# Altium PCB WX0.008.626PCB-4.1(5).PcbDoc (part 1 of 3) (continued)
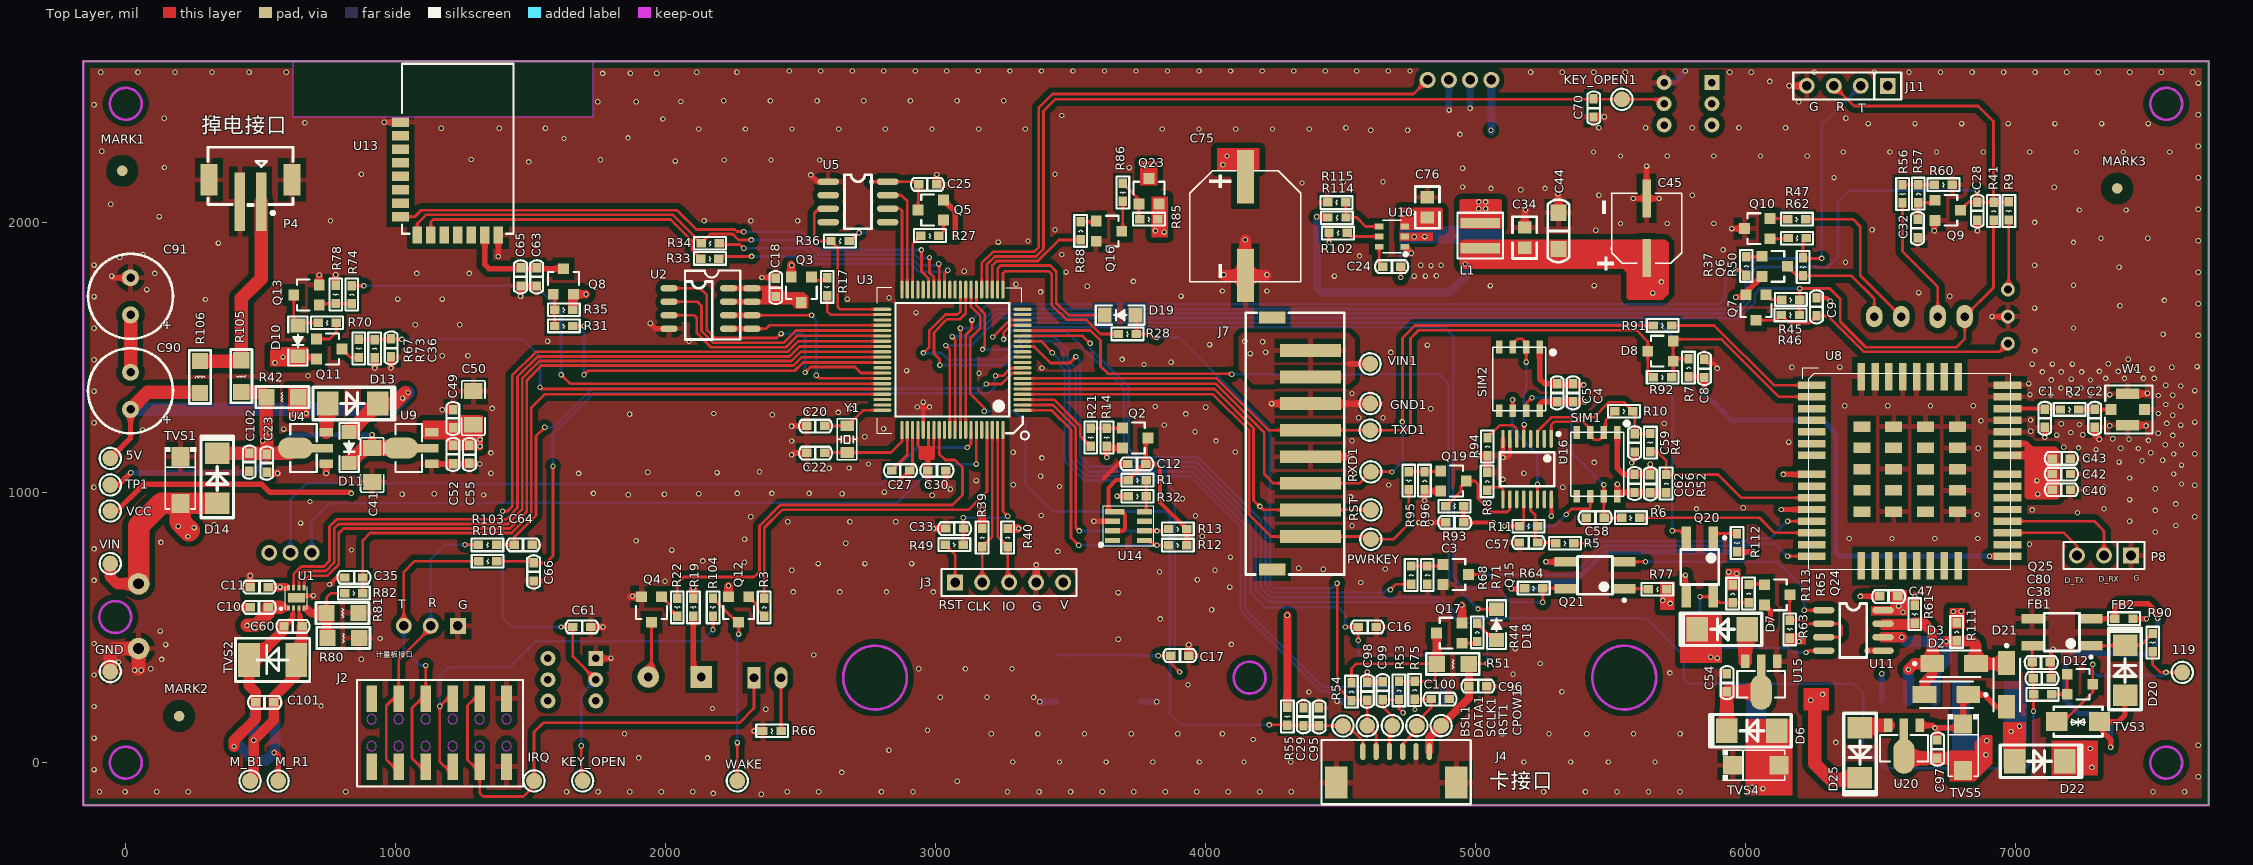
[diagram p0: Top Layer view]
## Components (designator, comment, footprint, x,y, rotation, side; value= is the part's Value field where it differs from the comment) (continued)
PWRKEY "TEST-PAD" TEST-PAD 4612.52,827.52 r90 top
Q2 "RZR040P01TL" SOT-23 3739.52,1202.92 r270 top
Q3 "PNPS-9012" SOT-23 2502.52,1752.52 r180 top
Q4 "NPNS-9013" SOT-23 1947.52,567.52 r180 top
Q5 "PNPS-9012" SOT-23 2982.52,2047.52 r90 top
Q6 "PNPS-9012" SOT-23 6108.52,1838.92 r270 top
Q7 "PNPS-9012" SOT-23 6039.52,1686.28 r180 top
Q8 "UT3401ZG" SOT-23 1621.29,1782.52 r0 top
Q9 "NPNS-9013" SOT-23 6749.52,2046.52 r270 top
Q10 "PNPS-9012" SOT-23 6043.52,1978.52 r90 top
Q11 "PNPS-9012" SOT-23 753.76,1532.52 r270 top
Q12 "PNPS-9012" SOT-23 2270.28,567.52 r180 top
Q13 "NPNS-9013" SOT-23 669.39,1732.52 r90 top
Q15 "NPNS-9013" SOT-23 4927.02,697.12 r270 top
Q16 "NPNS-9013" SOT-23 3642.52,1968.92 r270 top
Q17 "PNPS-9012" SOT-23 4903,480 r90 top
Q19 "NPNS-9013" SOT-23 4918.52,1043.52 r270 top
Q20 "01_EL357N9(D)(TA)-G" EL357D 5831,725 r270 top
Q21 "01_EL357N9(D)(TA)-G" EL357D 5443,694 r180 top
Q23 "UT3401ZG" SOT-23 3790.52,2116.52 r0 top
Q24 "NPNS-9013" SOT-23 6118,622 r270 top
Q25 "01_EL357N9(D)(TA)-G" EL357D 7172.52,483.52 r180 top
R1 "10K 5%" RES0603 3780.76,1046.52 r180 top
R2 "0R 5%" RES0603 7234.52,1308.52 r180 top
R3 "3K 5%" RES0603 2365.28,608.76 r270 top
R4 "22R 5%" RES0603 5647.52,1152.52 r90 top
R5 "22R 5%" RES0603 5364.52,812.52 r180 top
R6 "22R 5%" RES0603 5608.52,907.52 r180 top
R7 "20K 5%" RES0603 5789.52,1496.52 r270 top
R8 "0R 5%" RES0603 5043.52,1075.52 r270 top
R9 "51R 5%" RES0603 6975.52,2010.52 r90 top
R10 "0R 5%" RES0603 5583.52,1301.52 r180 top
R11 "0R 5%" RES0603 5163.52,876.52 r0 top
R12 "5.1K 5%" RES0603 3930.52,805.52 r180 top
R13 "5.1K 5%" RES0603 3930.52,865.52 r180 top
R14 "2M 5%" RES0603 3634.52,1171.52 r90 top
R17 "3K 5%" RES0603 2598.23,1729.66 r90 top
R19 "51R 5%" RES0603 2102.52,542.76 r90 top
R21 "200K 5%" RES0603 3574.52,1171.52 r90 top
R22 "3K 5%" RES0603 2042.52,542.76 r90 top
R27 "3K 5%" RES0603 3012.52,1952.52 r180 top
R28 "10R 5%" RES0603 3744,1588 r180 top
R31 "200K 5%" RES0603 1655.88,1617.52 r180 top
R32 "10K 5%" RES0603 3780.76,986.52 r180 top
R33 "1K 5%" RES0603 2197.52,1867.52 r180 top
R34 "1K 5%" RES0603 2131.52,1924.52 r0 top
R35 "2M 5%" RES0603 1655.88,1677.52 r180 top
R36 "20K 5%" RES0603 2612.52,1932.52 r0 top
R37 "3K 5%" RES0603 6003.52,1873.52 r270 top
R39 "10K 5%" RES0603 3172.52,867.52 r270 top
R40 "10K 5%" RES0603 3267.52,867.52 r270 top
R41 "20K 5%" RES0603 6919.52,2076.52 r270 top
R42 "0R 5%" RES1206 521,1354 r0 top
R44 "3K 5%" RES0603 5007,516 r270 top
R45 "3K 5%" RES0603 6201.52,1715.52 r180 top
R46 "0R 5%" RES0603 6200.52,1658.52 r180 top
R47 "100R 5%" RES0603 6223.52,2013.52 r180 top
R49 "100R 5%" RES0603 3102.52,807.52 r180 top
R50 "20K 5%" RES0603 6213.52,1803.52 r90 top
R51 "51R 5%" RES1206 4975,366 r180 top
R52 "10K 5%" RES0603 5706.52,1067.52 r270 top
R53 "10K 5%" RES0603 4717,301 r270 top
R54 "10K 5%" RES0603 4541,296 r270 top
R55 "1M 5%" RES0603 4303,138 r90 top
R56 "0K 5%" RES0603 6582,2074 r90 top
R57 "20K 5%" RES0603 6641,2141 r270 top
R60 "47K 5%" RES0603 6767,2141 r180 top
R61 "5.1K 5%" RES0603 6627,517 r90 top
R62 "3K 5%" RES0603 6158.52,1943.52 r0 top
R63 "10K 5%" RES0603 6164,461 r90 top
R64 "3K 5%" RES0603 5249,646 r180 top
R65 "10K 5%" RES0603 6012,660 r270 top
R66 "100R 5%" RES0603 2427.52,117.52 r180 top
R67 "47K 5%" RES0603 862.52,1501.12 r90 top
R68 "3K 5%" RES0603 4762.02,728.52 r270 top
R70 "10K 5%" RES0603 712.52,1630.01 r0 top
R71 "20K 5%" RES0603 4822.02,728.52 r270 top
R73 "10K 5%" RES0603 922.52,1567.12 r270 top
R74 "10K 5%" RES0603 837.52,1767.12 r270 top
R75 "10K 5%" RES0603 4775,302 r270 top
R77 "1K 5%" RES0603 5641,643 r0 top
R78 "20K 5%" RES0603 777.52,1701.12 r90 top
R80 "1R" RES1206 865,462 r180 top
R81 "1R" RES1206 862,554 r180 top
R82 "22R 5%" RES0603 878,628 r180 top
R85 "2M 5%" RES0603 3823.52,2013.52 r180 top
R86 "100K 5%" RES0603 3693.52,2079.52 r90 top
R88 "3K 5%" RES0603 3537.52,2003.52 r270 top
R90 "1K 5%" RES0603 7508.52,411.52 r90 top
R91 "1K 5%" RES0603 5726.52,1619.52 r180 top
R92 "1K 5%" RES0603 5726.52,1427.52 r180 top
R93 "47K 5%" RES0603 4889.52,950.52 r0 top
R94 "47R 5%" RES0603 5044.52,1204.52 r270 top
R95 "3K 5%" RES0603 4752.52,1011.52 r90 top
R96 "20K 5%" RES0603 4811.52,1077.52 r270 top
R101 "1K 5%" RES0603 1307.52,746.52 r0 top
R102 "100K 5%" RES0603 4457.52,1962.52 r0 top
R103 "1K 5%" RES0603 1306.52,807.52 r0 top
R104 "100R 5%" RES0603 2175.28,542.76 r90 top
R105 "0R" RES1206 428,1373 r90 top
R106 "0R" RES1206 275,1488 r270 top
R111 "5.1K 5%" RES0603 6783,518 r270 top
R112 "1K 5%" RES0603 5969,781 r90 top
R113 "3K 5%" RES0603 5953,659 r270 top
R114 "62K 1%" RES0603 4453.52,2019.52 r0 top
R115 "16K 1%" RES0603 4452.52,2075.52 r0 top
RST "TEST-PAD" TEST-PAD 4612.52,936.46 r0 top
RST1 "TEST-PAD" TEST-PAD 4783,137 r90 top
RXD1 "TEST-PAD" TEST-PAD 4612.52,1077.52 r90 top
S1 "Component_4" "PCBComponent_1 - duplicate5" 1652.52,307.52 r180 bottom locked
S2 "Component_4" "PCBComponent_1 - duplicate5" 5787.4,2440.94 r180 bottom
SCLK1 "TEST-PAD" TEST-PAD 4692,137 r90 top
SIM1 "SIMIC" SIMIC 5352.38,987.34 r0 top
SIM2 "SIMIC" SIMIC 5064.52,1303.52 r0 top
TP1 "TEST-PAD" TEST-PAD -57.48,1029 r0 top
TVS1 "SMAJ7.5A" "PCBComponent_1 - duplicate4" 202,1047 r270 top
TVS2 "SMBJ6.0CA" DO-214AA 636.52,380.52 r180 top
TVS3 "SMAJ5.0CA" SMAJ5.0CA 7154,152 r0 top
TVS4 "SMAJ7.5A" "PCBComponent_1 - duplicate4" 6038.52,-9.48 r0 top
TVS5 "SMAJ7.5A" "PCBComponent_1 - duplicate4" 6807,57 r270 top
TXD1 "TEST-PAD" TEST-PAD 4609.88,1231.73 r90 top
U1 "07_DRV8837DSGR" S-PWSON-N8 631.52,610.52 r90 top
U2 "MX25L3206EM2I-12G" SOP-8L-200MIL/SOP-8 2012.52,1757.52 r0 top
U3 "FM33LG0x8" LQFP80 3062.52,1492.52 r180 top locked
U4 "CE6232A50P" SOT-89 707.52,1165.61 r90 top
U5 "ESAM" SOP-8 2602.52,2152.52 r0 top
U8 "M5310-E" M5310-E 6246.52,1398.52 r0 top
U9 "CE6232A33P" SOT-89 1097.52,1165.61 r90 top
U10 "JW5031S" "PCBComponent_1 - duplicate1" 4817.52,1917.52 r0 top
U11 "SP485EEN" SOP8 6400,490 r0 top
U12 "IRM-3638T" 接收头 6972.52,1652.52 r180 bottom
U13 "DB809" DB809 1017.52,2022.52 r0 top
U14 "07_HP303B" HP303B 3714.86,876.52 r0 top
U15 "GM6250-5.0ST89RG" SOT-89 6058.52,339.52 r180 top
U16 "4052" SIM卡转换开关 5191.52,1087.52 r270 top
U20 "GM6250-5.0ST89RG" SOT-89 6587.52,102.52 r180 top
VCC "TEST-PAD" TEST-PAD -57.48,932.52 r0 top
VIN "TEST-PAD" TEST-PAD -57.48,737.52 r90 top
VIN1 "TEST-PAD" TEST-PAD 4609.88,1477.52 r90 top
W1 "ANT-IPEX" ANT-IPEX_1 7354.52,1308.52 r0 top
WAKE "TEST-PAD" TEST-PAD 2265.52,-67.48 r90 top
Y1 "XTALSG12MD_32.768kD" SMD-3215_2P 2672.52,1247.52 r270 top

## Footprints (in the part's own frame and the unit in brackets; to place one, negate y for a bottom-side part, rotate by r counter-clockwise, add the part's x,y. Pads: shape width x height; smd on the part's side, far side on the other; paste and mask are expansions set on the pad)
6Pin插座 [mm]
  rect 1.2x3.5 smd: 1(0,0) 2(2.5,0) 3(5,0) 4(7.5,0) 5(10,0) 6(12.5,0)
  rect 1.5x3.8 smd: 7(15.45,-7.25) 8(-2.95,-7.25)
  silkscreen extent -4.06,-9.53 16.51,2.16
220uf/16V [mm]
  rect 3.6x0.8 smd: 1(2.8,0) 2(-2.8,0)
  silkscreen extent -3.3,-4.63 3.94,3.3
5025D [mm]
  rect 2.25x1.6 smd: 1(-1.999,0.051) 2(2.101,0.051)
  silkscreen extent -2.45,-1.2 3.88,1.3
ANT-IPEX_1 [mm]
  rect 1.05x1 smd: 1(0,0)
  rect 2.2x1 smd: 2(1.55,-1.475) 2(1.55,1.475)
  rect 1x1 smd: 2(3.151,0)
  silkscreen extent -0.56,-2.26 3.9,2.26
"Bar Code1" [mil]
  silkscreen extent 0,0 965,256
CAP0603 [mil]
  rect 35x31 smd: 1(-0.49,0) 2(66.51,0)
  silkscreen extent -29,-24 94,23, body extent 1,-15 72,15, height 20
CAP0805 [mm]
  rect 1.27x1.14 smd: 1(0,0) 2(0,1.9)
  silkscreen extent -1.14,-1.02 1.14,2.92
CAP1206 [mil]
  rect 60x60 smd: 1(0,0) 2(134.8,0)
  silkscreen extent -48,-40 184,40, body extent -15,-29 163,29, height 20
CAP-SMD_BD10.0-L10.3-W10.3-FD [mm]
  rect 5x1.6 smd: 1(-4.65,0) 2(4.65,0)
  silkscreen extent -5.23,-5.23 5.23,5.23
CAPPC_350_800_1600 [mm]
  round 1.6 hole 0.8: 1(-1.75,0) 2(1.75,0)
  silkscreen extent -4,-4 4,4, body extent -4.01,-4 4,4, height 15.11
CONN-SMD_2.0-2PLT [mm]
  rect 1x5.5 smd mask+0.051: 1(-1,1.025) 2(1,1.025)
  rect 1.6x3 smd mask+0.051: 3(-3.9,-1.025) 4(3.9,-1.025)
  silkscreen extent -4,-4.1 4,2.25
DB809 [mm]
  rect 1.6x0.9 smd: 1(0,8.89) 2(0,7.62) 3(0,6.35) 4(0,5.08) 5(0,3.81) 6(0,2.54) 7(0,1.27) 8(0,0)
  rect 0.9x1.6 smd: 9(1.59,-1.7) 10(2.86,-1.7) 11(4.13,-1.7) 12(5.4,-1.7) 13(6.67,-1.7) 14(7.94,-1.7) 15(9.21,-1.7)
  silkscreen extent 0.15,-1.6 10.65,14.4
DO-214AA [mil]
  rect 80x125 smd: 1(5,0) 2(180,0)
  silkscreen extent -45,-80 230,80, body extent -13,-77 203,77, height 96
DO-214AC [mil]
  rect 80x90.55 smd: 1(-92.5,0) 2(92.5,0)
  silkscreen extent -146,-60 156,60, body extent -91,-53 90,53, height 94
EL357D [mil]
  rect 80x35 smd: 1(-110,50) 2(-110,-50) 3(110,-50) 4(110,50)
  silkscreen extent -113,-70 65,97
GRM31CR60J107ME39L [mm]
  rect 1.485x1.728 smd: 1(0,0) 2(3.185,0)
  silkscreen extent -0.97,-1.09 4.16,1.09
HDR1X5 [mm] "Connector; Header; 5 Position"
  rect 1.5x1.5 hole 0.9: 1(0,0)
  round 1.5 hole 0.9: 2(2.54,0) 3(5.08,0) 4(7.62,0) 5(10.16,0)
  silkscreen extent -1.27,-1.27 11.43,1.27
"Header 2" [mil]
  round 80 hole 40: 1(0,240) 2(0,0)
  Keep-Out Layer circle w10: c86.51,116.99 r59.05
  silkscreen extent -55,-57 64,295
HP303B [mm]
  rect 1.8x0.5 smd: 1(-1.3,1.35)
  rect 1.4x0.5 smd: 2(-1.5,0.45) 3(-1.5,-0.45) 4(-1.5,-1.35) 5(1.5,-1.35) 6(1.5,-0.45) 7(1.5,0.45) 8(1.5,1.35)
  silkscreen extent -2.74,-1.92 2.39,1.9
HYT-0903 [mil]
  rect 80x80 hole 32: 1(0,0)
  round 80 hole 32: 2(196.85,0)
  silkscreen extent -79,-177 275,177, body extent -78,-176 276,176, height 217
IND0603 [mil]
  rect 35x31 smd: 1(0,0) 2(67,0)
  silkscreen extent -26,-24 92,23, body extent 0,-15 71,15, height 12
IR_254_1000_500 [mil]
  oval 60x86.61 hole 32: 1(50,0) 2(-50,0)
  silkscreen extent -103,-118 118,118
LCD_JR-H25433AFP [mm]
  round 1.5 hole 0.9: 1(-57.5,22.25) 2(-55.5,22.25) 3(-53.5,22.25) 4(-51.5,22.25) 6(53.5,-22.25) 7(55.5,-22.25) 8(57.5,-22.25)
  silkscreen extent -66,-23.75 66,23.75
LED2_300 [mm]
  rect 2x1.2 hole 0.813: 1(0,0)
  oval 2x1.2 hole 0.813: 2(0,-2.54)
  silkscreen extent -2.16,-2.53 2.16,0.91, body extent -1.65,-2.91 1.64,0.39, height 5.51
LEDRED [mil]
  oval 60x78.74 hole 32: 1(50,0) 2(-50,0)
  silkscreen extent -103,-118 118,118
LQFP80 [mm]
  oval 1.7x0.3 smd: 1(-6.6,4.75) 2(-6.6,4.25) 3(-6.6,3.75) 4(-6.6,3.25) 5(-6.6,2.75) 6(-6.6,2.25) 7(-6.6,1.75) 8(-6.6,1.25) 9(-6.6,0.75) 10(-6.6,0.25) 11(-6.6,-0.25) 12(-6.6,-0.75) 13(-6.6,-1.25) 14(-6.6,-1.75) 15(-6.6,-2.25) 16(-6.6,-2.75) 17(-6.6,-3.25) 18(-6.6,-3.75) 19(-6.6,-4.25) 20(-6.6,-4.75) 41(6.6,-4.75) 42(6.6,-4.25) 43(6.6,-3.75) 44(6.6,-3.25) 45(6.6,-2.75) 46(6.6,-2.25) 47(6.6,-1.75) 48(6.6,-1.25) 49(6.6,-0.75) 50(6.6,-0.25) 51(6.6,0.25) 52(6.6,0.75) 53(6.6,1.25) 54(6.6,1.75) 55(6.6,2.25) 56(6.6,2.75) 57(6.6,3.25) 58(6.6,3.75) 59(6.6,4.25) 60(6.6,4.75)
  oval 0.3x1.7 smd: 21(-4.75,-6.6) 22(-4.25,-6.6) 23(-3.75,-6.6) 24(-3.25,-6.6) 25(-2.75,-6.6) 26(-2.25,-6.6) 27(-1.75,-6.6) 28(-1.25,-6.6) 29(-0.75,-6.6) 30(-0.25,-6.6) 31(0.25,-6.6) 32(0.75,-6.6) 33(1.25,-6.6) 34(1.75,-6.6) 35(2.25,-6.6) 36(2.75,-6.6) 37(3.25,-6.6) 38(3.75,-6.6) 39(4.25,-6.6) 40(4.75,-6.6) 61(4.75,6.6) 62(4.25,6.6) 63(3.75,6.6) 64(3.25,6.6) 65(2.75,6.6) 66(2.25,6.6) 67(1.75,6.6) 68(1.25,6.6) 69(0.75,6.6) 70(0.25,6.6) 71(-0.25,6.6) 72(-0.75,6.6) 73(-1.25,6.6) 74(-1.75,6.6) 75(-2.25,6.6) 76(-2.75,6.6) 77(-3.25,6.6) 78(-3.75,6.6) 79(-4.25,6.6) 80(-4.75,6.6)
  silkscreen extent -6.62,-6.81 7.1,6.91, body extent -5.33,-5.33 5.36,5.33, height 2
M5310-E [mm]
  rect 2.6x0.7 smd: 1(0,0) 2(0,-1.1) 3(0,-2.2) 4(0,-3.3) 5(0,-4.4) 6(0,-5.5) 7(0,-6.6) 8(0,-8.4) 9(0,-9.5) 10(0,-10.6) 11(0,-11.7) 12(0,-12.8) 13(0,-13.9) 14(0,-15) 15(0,-16.1) 16(18.4,-16.1) 17(18.4,-15) 18(18.4,-13.9) 19(18.4,-12.8) 20(18.4,-11.7) 21(18.4,-10.6) 22(18.4,-9.5) 23(18.4,-8.4) 24(18.4,-6.6) 25(18.4,-5.5) 26(18.4,-4.4) 27(18.4,-3.3) 28(18.4,-2.2) 29(18.4,-1.1) 30(18.4,0)
  rect 0.7x2.6 smd: 31(4.65,-17) 32(5.95,-17) 33(7.25,-17) 34(8.55,-17) 35(9.85,-17) 36(11.15,-17) 37(12.45,-17) 38(13.75,-17) 39(13.75,0.8) 40(12.45,0.8) 41(11.15,0.8) 42(9.85,0.8) 43(8.55,0.8) 44(7.25,0.8) 45(5.95,0.8) 46(4.65,0.8)
  rect 1.6x1 smd: 47(4.7,-3.9) 48(7.7,-3.9) 49(10.7,-3.9) 50(13.7,-3.9) 51(4.7,-5.9) 52(7.7,-5.9) 53(10.7,-5.9) 54(13.7,-5.9) 55(4.7,-7.9) 56(7.7,-7.9) 57(10.7,-7.9) 58(13.7,-7.9) 59(4.7,-9.9) 60(7.7,-9.9) 61(10.7,-9.9) 62(13.7,-9.9) 63(4.7,-11.9) 64(7.7,-11.9) 65(10.7,-11.9) 66(13.7,-11.9)
  silkscreen extent -0.86,-17.3 18.7,1.66
MARK [mm]
  round 1 smd: 0(0,0)
  round 1 smd far side: 1(0,0)
  Top Layer pour cut-out: -1.5,0 -1.386,-0.574 -1.061,-1.061 -0.574,-1.386 0,-1.5 0,-1.5 0.574,-1.386 1.061,-1.061 1.386,-0.574 1.5,0 1.5,0 1.386,0.574 1.061,1.061 0.574,1.386 0,1.5 0,1.5 -0.574,1.386 -1.061,1.061 -1.386,0.574 -1.5,0
  Bottom Layer pour cut-out: -1.5,0 -1.386,-0.574 -1.061,-1.061 -0.574,-1.386 0,-1.5 0,-1.5 0.574,-1.386 1.061,-1.061 1.386,-0.574 1.5,0 1.5,0 1.386,0.574 1.061,1.061 0.574,1.386 0,1.5 0,1.5 -0.574,1.386 -1.061,1.061 -1.386,0.574 -1.5,0
"PCBComponent_1 - duplicate" [mm]
  rect 1.5x1.5 hole 0.9: 1(0,0)
  round 1.5 hole 0.9: 2(2.54,0) 3(5.08,0)
  silkscreen extent -1.27,-1.27 6.35,1.27
"PCBComponent_1 - duplicate1" [mm]
  rect 0.8x0.532 smd: 1(-2.026,-0.147) 2(-2.026,0.803) 3(-2.026,1.753) 4(-4.426,1.753) 5(-4.426,0.803) 6(-4.426,-0.147)
  silkscreen extent -4.1,-1.02 -1.79,2.33
"PCBComponent_1 - duplicate3" [mm]
  rect 1.2x5.7 smd: 1(-8.75,1.8) 2(-6.25,1.8) 3(-3.75,1.8) 4(-1.25,1.8) 5(1.25,1.8) 6(3.75,1.8) 7(6.25,1.8) 8(8.75,1.8)
  rect 1.1x2.5 smd: 9(-11.85,-1.8) 10(11.85,-1.8)
  silkscreen extent -12.31,-4.3 12.33,4.98
"PCBComponent_1 - duplicate4" [mm]
  rect 1.8x1.7 smd: 1(-2.192,0) 2(2.192,0)
  silkscreen extent -3.11,-1.48 2.73,1.48
"PCBComponent_1 - duplicate5" [mm]
  rect 1.4x1.4 hole 0.7: 1(-2.25,2)
  round 1.4 hole 0.7: 2(-2.25,0) 3(-2.25,-2) 4(2.25,-2) 5(2.25,0) 6(2.25,2)
  silkscreen extent -3.09,-2.93 3.11,3.56
PIN254_1*4*1100S [mm] "Connector; Header; 4 Position"
  rect 1.5x1.5 hole 0.9: 1(0,0)
  round 1.5 hole 0.9: 2(2.54,0) 3(5.08,0) 4(7.62,0)
  silkscreen extent -1.27,-1.27 8.89,1.27, body extent -1.3,-1.3 8.86,1.24, height 8.54
RES0603 [mil]
  rect 35x31 smd: 1(0,0) 2(67,0)
  silkscreen extent -26,-24 92,23, body extent 0,-15 71,15, height 12
RES1206 [mil]
  rect 60x60 smd: 1(0,0) 2(118.11,0)
  silkscreen extent -39,-39 157,39, body extent -28,-29 150,29, height 20
S-PWSON-N8 [mm]
  rect 0.5x0.28 smd: 1(-0.95,0.75) 2(-0.95,0.25) 3(-0.95,-0.25) 4(-0.95,-0.75) 5(0.95,-0.75) 6(0.95,-0.25) 7(0.95,0.25) 8(0.95,0.75)
  rect 0.9x1.6 smd: 9(0,0)
  silkscreen extent -1.09,-1.05 1.04,1.52, body extent -0.98,-1 1.02,1, height 0.77
SIMIC [mm]
  rect 0.6x1.2 smd: 1(4.405,6) 2(3.135,6) 3(1.865,6) 4(0.595,6) 5(0.595,0) 6(1.865,0) 7(3.135,0) 8(4.405,0)
  silkscreen extent 0,0 5.37,6.92, body extent 0,0 4.95,5.97, height 0.6
SIM卡转换开关 [mm]
  oval 1.7x0.32 smd: 1(-2.85,2.275) 2(-2.85,1.625) 3(-2.85,0.975) 4(-2.85,0.325) 5(-2.85,-0.325) 6(-2.85,-0.975) 7(-2.85,-1.625) 8(-2.85,-2.275) 9(2.85,-2.275) 10(2.85,-1.625) 11(2.85,-0.975) 12(2.85,-0.325) 13(2.85,0.325) 14(2.85,0.975) 15(2.85,1.625) 16(2.85,2.275)
  silkscreen extent -3.45,-2.55 1.6,3.1, body extent -3.2,-2.5 3.2,2.5, height 1.2
SMAJ5.0CA [mm]
  rect 2x1.8 smd: 1(0,0) 2(4,0)
  silkscreen extent -0.3,-1.4 4.3,1.4
SMD-3215_2P [mm]
  rect 1x1.3 smd: 1(0,0) 2(2.5,0)
  silkscreen extent -0.69,-0.91 3.19,0.91, body extent -0.3,-0.99 2.9,0.99, height 0.7
SMT2-2.0 [mm]
  oval 1x3.8 smd: 1(1,2.95) 2(-1,2.95)
  rect 1.5x3.4 smd: 3(-3.35,-2.95) 4(3.35,-2.95)
  silkscreen extent -4.67,-5.15 4.57,5.2
SMT-1.25-6 [mm]
  oval 0.5x1.6 smd: 1(-3.125,0) 2(-1.875,0) 3(-0.625,0) 4(0.625,0) 5(1.875,0) 6(3.125,0)
  rect 2.1x3 smd: 7(-5.625,-2.9) 8(5.675,-2.9)
  silkscreen extent -7.02,-4.95 7.02,1.1
SOD-123FL [mm]
  rect 1.3x1.4 smd: 1(0.074,0) 2(2.974,0)
  silkscreen extent -0.78,-0.9 3.82,0.9, body extent -0.28,-0.82 3.32,0.82, height 0.95
SOP8 [mil]
  oval 80x24 smd: 1(-110,75) 2(-110,25) 3(-110,-25) 4(-110,-75) 5(110,-75) 6(110,-25) 7(110,25) 8(110,75)
  silkscreen extent -50,-100 50,100
SOP-8 [mil]
  oval 80x24 smd: 1(0,0) 2(0,-50) 3(0,-100) 4(0,-150) 5(220,-150) 6(220,-100) 7(220,-50) 8(220,0)
  silkscreen extent 60,-175 160,25, body extent -7,-171 229,21, height 67
SOP-8L-200MIL/SOP-8 [mil]
  oval 62.99x24 smd: 1(0,0) 2(0,-50) 3(0,-100) 4(0,-150) 5(220,-150) 5(307.09,-150) 6(220,-100) 6(307.09,-100) 7(220,-50) 7(307.09,-50) 8(220,0) 8(307.09,0)
  Top Layer lines w19.68: 220,-150 307.09,-150 ; 220,-100 307.09,-100 ; 220,-50 307.09,-50 ; 220,0 307.09,0
  silkscreen extent 59,-190 264,66, body extent -7,-171 229,21, height 67
SOT-23 [mil]
  rect 40x40 smd: 1(-37.4,-47.24) 2(37.4,-47.24) 3(0,47.24)
  silkscreen extent -57,-12 57,35, body extent -57,-55 57,55, height 47
SOT-89 [mm]
  rect 0.8x1.27 smd: 1(-1.5,-0.9) 3(1.5,-0.9)
  oval 2x3.3 smd: 2(0,2)
  rect 0.8x2.54 smd: 2(0,-0.265)
  silkscreen extent -2.25,0 2.25,2.5, body extent -2.25,-1.02 2.25,2.92, height 1.4
SWS_4_600_600 [mm]
  rect 2x1.2 smd: 1(-4,2.2) 1(4,2.2) 2(-4,-2.2) 2(4,-2.2)
  silkscreen extent -3,-3 3,3, body extent -3.18,-3.18 3.18,3.18, height 4.5
TEST-PAD [mm]
  round 1.5 smd: 1(0,0)
  silkscreen extent -1,-1 1,1
WE-MAPI_4020 [mm] "SMT Shielded Power Inductor, body 4.1x4.1mm"
  rect 0.98x3.7 smd: 1(-1.185,0) 2(1.185,0)
  silkscreen extent -2.15,-2.15 2.15,2.15, body extent -2.05,-2.05 2.05,2.05, height 2.1
接收头 [mm]
  round 1.3 hole 0.75: 1(0,2.54) 2(0,0) 3(0,-2.54)
  silkscreen extent -1.35,-3.43 8.31,3.43
"计量板插座 2X6Pin" [mm]
  rect 2.5x1.02 smd: 1(-3.193,-6.35) 2(3.208,-6.35) 3(-3.193,-3.81) 4(3.208,-3.81) 5(-3.193,-1.27) 6(3.208,-1.27) 7(-3.193,1.27) 8(3.208,1.27) 9(-3.193,3.81) 10(3.208,3.81) 11(-3.193,6.35) 12(3.208,6.35)
  Keep-Out Layer circle w0.1: c1.277,1.27 r0.45
  Keep-Out Layer circle w0.1: c1.277,-3.81 r0.45
  Keep-Out Layer circle w0.1: c-1.263,3.81 r0.45
  Keep-Out Layer circle w0.1: c1.277,6.35 r0.45
  Keep-Out Layer circle w0.1: c-1.263,1.27 r0.45
  Keep-Out Layer circle w0.1: c1.277,3.81 r0.45
  Keep-Out Layer circle w0.1: c-1.263,-1.27 r0.45
  Keep-Out Layer circle w0.1: c-1.263,-3.81 r0.45
  Keep-Out Layer circle w0.1: c1.277,-6.35 r0.45
  Keep-Out Layer circle w0.1: c-1.263,6.35 r0.45
  Keep-Out Layer circle w0.1: c-1.263,-6.35 r0.45
  Keep-Out Layer circle w0.1: c1.277,-1.27 r0.45
  silkscreen extent -4.95,-7.75 5.08,7.89

## Part data
5V 119 BSL1 CPOW1 DATA1 GND GND1 IRQ KEY_OPEN KEY_OPEN1 M_B1 M_R1 PWRKEY RST RST1 RXD1 SCLK1 TP1 TXD1 VCC VIN VIN1 WAKE: library part AD_WXHJ_TEST-PAD_01, "单面焊盘测试点"
*: library part "AD_WXHJ_Bar Code_02", "条形码 ,填充，无需焊接器件"
B1: library part 1010602-0007, "直插,直径9mm,高5.5mm,5 V,2 V,30 mA,兴化市华宇电子有限公司,HYT-0903"
C1 C2 C4 C9 C10 C11 C12 C16 C17 C18 C24 C25 C27 C29 C30 C35 C38 C43 C55 C56 C60 C61 C70 C80 C101: library part 101020103-0021, "104pF,50 V,±10%,0603,国巨,CC0603KRX7R9BB104"
C3 C8 C23 C54 C65 C102: library part 101020103-0003, "105pF,16 V,±10%,0603,国巨,CC0603KRX7R7BB105"
C5 C33 C42 C57 C58 C59 C62 C64 C66 C95 C96 C98 C99 C100: library part 101020103-0027, "33pF,50 V,±10%,0603,国巨,CC0603KRNPO9BN33"
C20 C22 C49: library part 101020103-0009, "22pF,50 V,±5%,0603,国巨,CC0603JRNPO9BN22"
C28: library part 101020103-0010, "101pf,50 V,±5%,0603,国巨,CC0603JRNP09BN101"
C32 C40: library part 101020103-0014, "10pF,50 V,±5%,0603,X7R,国巨,CC0603JRNPO9BN100"
C34 C76: library part 101020102-0012, "226P,10 V,±20%,0805,村田电子有限公司,GRM21BR61A226ME51L"
C36: library part 101020103-0022, "102pF,50 V,±10%,0603,国巨,CC0603KRX7R9BB102"
C41 C52 C63 C97: library part 101020103-0026, "106pF,10 V,±10%,0603,村田,GRM188R61A106KE47D"
C44: library part 101020101-0005, "106P,16 V,±10%,1206,国巨,CC1206KRNPO7BN106P"
C45 C75: library part 1010203-0029, "1000uF,16 V,±20%,8*20mm,Rubycon,16ZLH1000M"
C47: library part 101020103-0021, "100N/50V，±10%，0603"
C50: library part 1010205-0006, "100UF,10 V,±20%,3528,AVX / KEMET,TAJB107M010RNJ"
C90 C91: library part 1010202-0015, "1F,2.75 V,-20%~+20%,8mm*16mm,红宝石,2.7 DMC 1 M MY4 8X16"
D2 D3 D21: library part 101040101-0024, "SMBJ6.0CA，6V单向TVS管"
D4: library part 101040101-0034, "直插,Φ5.8mm圆头透明色，,0.1 A,4 V,5 V,上海品观电子有限公司,AT205B"
D5: library part 101040101-0035, "Φ5.8mm圆头黑色，光电接收管,Φ5.8mm,0.01 A,1.2 V,60 V,上海品观电子,AT405-PD-01"
D6 D14: library part 101040101-0009, "SS12,DO-214AC,1 A,0.55 V,20 V,昶鑫,SS12"
D7 D11 D13: library part 101040101-0048, "DS12W,SOD-123FL,1 A,0.55 V,20 V,领晨科技,DS12W"
D8 D12: library part 101040101-0038, "BAT54CLT1，SOT23-3,SOT23-3,0.2 A,0.8 V,30 V,安森美,BAT54CLT1"
D9: library part 101040102-0001, "圆形插件,3mm 圆形,插件,红光,湖北匡通电子有限公司,3BB4HC"
D10 D18: library part 101040101-0005, "4148,4148,0.2 A,1 V,100 V,先科,LL4148"
D19: library part DIODE, "二极管，Diode"
D20: library part 101040101-0008, "M7A,DO-214AC,1 A,1.1 V,1000 V,杭州闽达电子有限公司,M7A"
D22 D25: library part 101040101-0055, "DS36W,SOD123-FL,3 A,42 V,60 V,浙江领晨科技有限公司,DS36W"
FB1 FB2: library part 109010101-0003, "chilisin(奇力新),0603,30Ω ±25% @100MHz,150 V,125 ℃,PBY160808T-300Y-N,-55 ℃,不含铅,,,圆盘,30Ω ±25% @100MHz"
J1: library part 1010902-0125, "PH2.0_2AWR 卧,贴片卧式,母头,单排,2针2.0mm"
J3: "Header, 5-Pin"
J4: library part 1010902-0121, "1.25-6AWR 卷,6针1.25mm,母头,单排,贴片卧式"
J5 P2 P4: library part 1010902-0105, "2.0-2AW,直插弯座，2PIN，脚间距2mm，带防翘起,公头,单排,2.0-2AW;直插弯座，2PIN,脚间距2mm，带防翘起"
J11: library part AD_WXHJ_PinHeader_01, "1*4 ，Φ1.0 ，2.54mm，直脚,无需焊接器件"
K1 K2: library part 1011001-0026, "松涛,6*6*4.3mm,,6*6*4.3mm,点触,,无铅,6*6*4.3mm"
L1: library part 74438356047, "WE-MAPI SMT Power Inductor, size 4020, 4.7uH, 2.9A"
MARK1 MARK2 MARK3: library part AD_WXHJ_MARK_01, "MARK点"
P1: library part 202020302-0019, "UJ-B1,,无取信,,中文,3.3V,无阀门驱动,I2C"
P3: library part 1010902-0117, "PH2.0-2P,2mm间距,母头,单排,PH2.0-2P"
P10: library part 1010902-0119, "Micro usb 5P/F B Type dip 有导位无柱7.2(外壳加焊盘脚长1.1),商品号：C40951，深圳嘉立创商城,micro usb-p1.1,母头,单排,Micro usb 5P/F B Type dip 有导位无柱7.2(外壳加焊盘脚长1.1)"
Q2: library part 101040201-0010, "RZR040P01TL；1.5v导通,P-MOS,SOT-23,罗姆,RZR040P01TL"
Q3 Q5 Q6 Q7 Q10 Q11 Q12 Q17: library part 101040201-0001, "9012,PNP,SOT-23,JCET;长电,S9012"
Q4 Q9 Q13 Q15 Q16 Q19 Q24: library part 101040201-0002, "9013,NPN,SOT-23,长电,S9013"
Q8 Q23: library part 101040201-0013, "UT3401ZG,P-MOS,SOT-23,UTC,UT3401ZG"
Q20 Q21 Q25: library part 1010502-0045
R1 R32 R55: library part 101010103-0002, "国巨,±5%,0603,,155 ℃,-55 ℃,RC0603JR-071ML,无铅,200 ppm/℃,1/10W,,1M"
R2 R8 R10 R11 R46: library part 101010103-0001, "国巨,±5%,0603,,155 ℃,-55 ℃,RC0603J2-070RL,无铅,200 ppm/℃,1/10W,,0R"
R3 R17 R22 R27 R37 R44 R45 R62 R68 R88 R95: library part 101010103-0006, "国巨,±5%,0603,,155 ℃,-55 ℃,RC0603JR-073KL,无铅,100 ppm/℃,1/10W,,3K"
R4 R5 R6 R94: library part 101010103-0009, "国巨,±5%,0603,,155 ℃,-55 ℃,RC0603JR-0722RL,无铅,200 ppm/℃,1/10W,,22欧"
R7 R36 R41 R50 R56 R57 R71 R78 R80 R81 R82 R96: library part 101010103-0004, "国巨,±5%,0603,,155 ℃,-55 ℃,RC0603JR-0720KL,无铅,200 ppm/℃,1/10W,,20K"
R9 R19: library part 101010103-0037, "国巨,±5%,0603,,155 ℃,-55 ℃,RC0603JR-0751RL,无铅,100 ppm/℃,1/10W,,51欧"
R12 R13: library part 101010103-0015, "国巨,±5%,0603,,155 ℃,55 ℃,RC0603JR-075.1KL,无铅,200 ppm/℃,1/10W,,5.1k"
R14 R85: library part 101010103-0025, "国巨,±5%,0603,,155 ℃,-55 ℃,RC0603JR-072ML,含铅,100 ppm/℃,1/10W,,2M"
R21: library part 101010103-0034, "200K,±5%,1/10W,0603,国巨,RC0603JR-07200KL"
R28: library part 101010103-0017, "10R,±5%,1/10W,0603,国巨,RC0603JR-0710RL"
R31 R35 R63 R65: library part 101010103-0003, "10K±5%,1/10W,0603"
R33 R34 R91 R92 R101 R103: library part 101010103-0008, "1K,±5%,1/10W,0603,国巨,RC0603JR-071KL"
R39 R40 R52 R53 R54 R70 R73 R74 R75 R115: library part 101010103-0003, "国巨,±5%,0603,,155 ℃,-55 ℃,RC0603JR-0710KL,无铅,200 ppm/℃,1/10W,,10K"
R42: library part 101010101-0013, "0Ω,±5%,1/4W,1206,国巨,RC1206JR-070RL"
R47 R49 R66 R104 R105 R106: library part 101010103-0022, "100R,±5%,1/10W,0603,国巨,RC0603JR-07100RL"
R51: library part 101010101-0029, "51Ω,±5%,1/4W,1206,国巨,RC1206JR-0751RL"
R60 R67 R93: library part 101010103-0012, "47K,±5%,1/10W,0603,国巨,RC0603JR-0747KL"
R61 R111: library part 101010103-0015, "5.1K±5%,1/10W,0603"
R64 R113: library part 101010103-0006, "3K±5%,1/10W,0603"
R77 R90 R112: library part 101010103-0008, "1K±5%,1/10W,0603"
R86 R102: library part 101010103-0005, "国巨,±5%,0603,,155 ℃,-55 ℃,RC0603JR-07100KL,无铅,100 ppm/℃,1/10W,,100K"
R114: library part 101010103-0067, "国巨,±5%,0603,,155 ℃,-55 ℃,RC0603JR,含铅,100 ppm/℃,1/10W,,22k"
SIM1 SIM2: library part AD_XN_SIMIC_01, "SIMIC虚拟器件"
TVS1 TVS2 TVS4 TVS5: library part 101040101-0024, "SMBJ6.0CA,DO-214AA,10.3 V,6.0 V,600 W,58.3 A,800 uA,上海君耀电子有限公司,SMBJ6.0CA"
TVS3: library part SMAJ5.0CA_C693487
U1: library part 101050101-0060, "DRV8837DSGR,S-PWSON-N8,TI,DRV8837DSGR"
U2: library part 101050101-0028, "MX25L3206EM2I-12G,SOP-8,旺宏电子,MX25L3206EM2I-12G"
U4: library part 1010503-0028, "CE6232A50P,CE6232A50P,SOT89-3,8 V,1.8 V,0.11 V,5 V,500mA,0.8 uA,南京芯力微电子有限公司"
U5: library part AD_XN_ESAM_01, "ESAM虚拟器件"
U8: library part 1011402-0235, "M5310-E MBRH0S00,/,电信、移动NB-IoT,19mm*18.4mm*2.2mm，LCC+LGA贴片式封装,B5,B8,BLE 5.0,中移物联网有限公司"
U9: library part 1010503-0029, "CE6232-3.3,CE6232-3.3,SOT89-3,8V,1.8V,0.11V,3.3V,300mA,0.8uA,南京芯力微电子有限公司"
U10: library part Component_3
U11: library part 101050101-0065, "SP485EEN,SOP8"
U12: library part 101040101-0003
U13: library part 1011402-0194, "北高智蓝牙模块DB809"
U14: library part 1011301-0022, "HP303B,4.7mm*3.7mm,惠贻华普,HP303B,含铅"
U15 U20: library part 1010503-0021, "GM6250-5.0ST89RG,GM6250-5.0ST89RG,SOT-89,12 V,0 V,0 V,5 V,250mA,1.0 uA,美国GAMMA"
U16: library part Pro87.tmp_4052_23
W1: library part 1010902-0145, "UB06000058A,3*3.1*1.25mm,公头,单排,IPEX一代板端"
Y1: library part 1010601-0009, "SCX3215(SCX3213089);32.768kHz;精度20%;负载电容12.5pF,3215,32.768kHz,0.03 ppm/℃,无源,Q-SC32S03220C5AAAF,SCX3215"

## Via types
v1: diameter 20, hole 12, Top Layer to Bottom Layer, tented both sides, 835 vias

## Nets (pads, with @x,y where several pads share a name; then routed paths per layer and width w, separated by ;. In a path a pad name is that pad's centre, name@x,y a point inside that pad or via, vN(x,y) a via of type N, cw(c..) or ccw(c..) an arc to the next point about the centre after c; other vN are vias at no path point)
5V: 5V.1 C10.2 C90.1 D7.2 D11.1 D13.2 D22.2 R42.2 R106.2 U1.1 | length 1997.9
  Top Layer w20: 5V.1@-57.48,1127.52 17.52,1202.52 C90.1@17.52,1308.62
  Top Layer w25: 574.45,573.12 594.52,573.12
  Top Layer w50: C90.1@17.52,1308.62 81.79,1372.89 R106.2@272,1372.89 ; v1(449.52,508.52) 482.52,508.52 528.03,554.03 C10.2@528.03,575.52 572.05,575.52 ; D11.1@827.52,1224.61 933.02,1330.11 D13.2@933.02,1330.52 994.52,1330.52 1034.52,1370.52
  Bottom Layer w50: C90.1@17.52,1308.62 982.62,1308.62 v1(1045.52,1371.52)
  other v1: 7283.52,-17.48 7277.52,52.52 5895.52,387.52 5871.52,391.52 476.52,499.52 626,1293 668,1294 1025.52,1350.52
119: C38.1 C80.1 FB1.1 Q25.4 U3.15 | length 5300.5
  Top Layer w10: U3.15@3322.36,1581.1 3544.94,1581.1 v1(3572.52,1553.52) ; C80.1@7062.52,371.52 Q25.4@7062.52,433.52 ; C38.1@7063.03,315.52 C80.1@7063.03,371.52 ; FB1.1@7066.03,255.01 C38.1@7066.03,312.52 ; v1(7067.52,190.52) FB1.1@7067.52,253.52
  Bottom Layer w10: v1(3572.52,1553.52) 3572.52,1535.13 3715,1392.65 3715,1163.04 3747.04,1131 3972.08,1131 4205.01,898.07 4205.01,647.48 4239.97,612.52 4671.05,612.52 4672.57,611 4697.43,611 4698.95,612.52 4869.44,612.52 4946.96,535 5634,535 5771.52,397.48 5771.52,309.52 5788.52,292.52 6399.48,292.52 6437,255 6437,59 6516.52,-20.52 7038,-20.52 7067.52,9 v1(7067.52,190.52)
485_5V: C47.2 D25.2 R63.1 R77.2 R111.1 R113.1 U11.8 | length 439.9
  Top Layer w50: 6257,241 6257,-4 6316,-63 6417.5,-63 D25.2@6424.52,-55.98
  other v1: 6242,231 6286,253 6199,449 6212,469 6584,557 6770,560 6800,561 6568,580 5722,590 5694,601 5968,701 5938,706